# Altium PCB BeagleBone_Black_RevB4.PcbDoc (part 4 of 5) (continued)
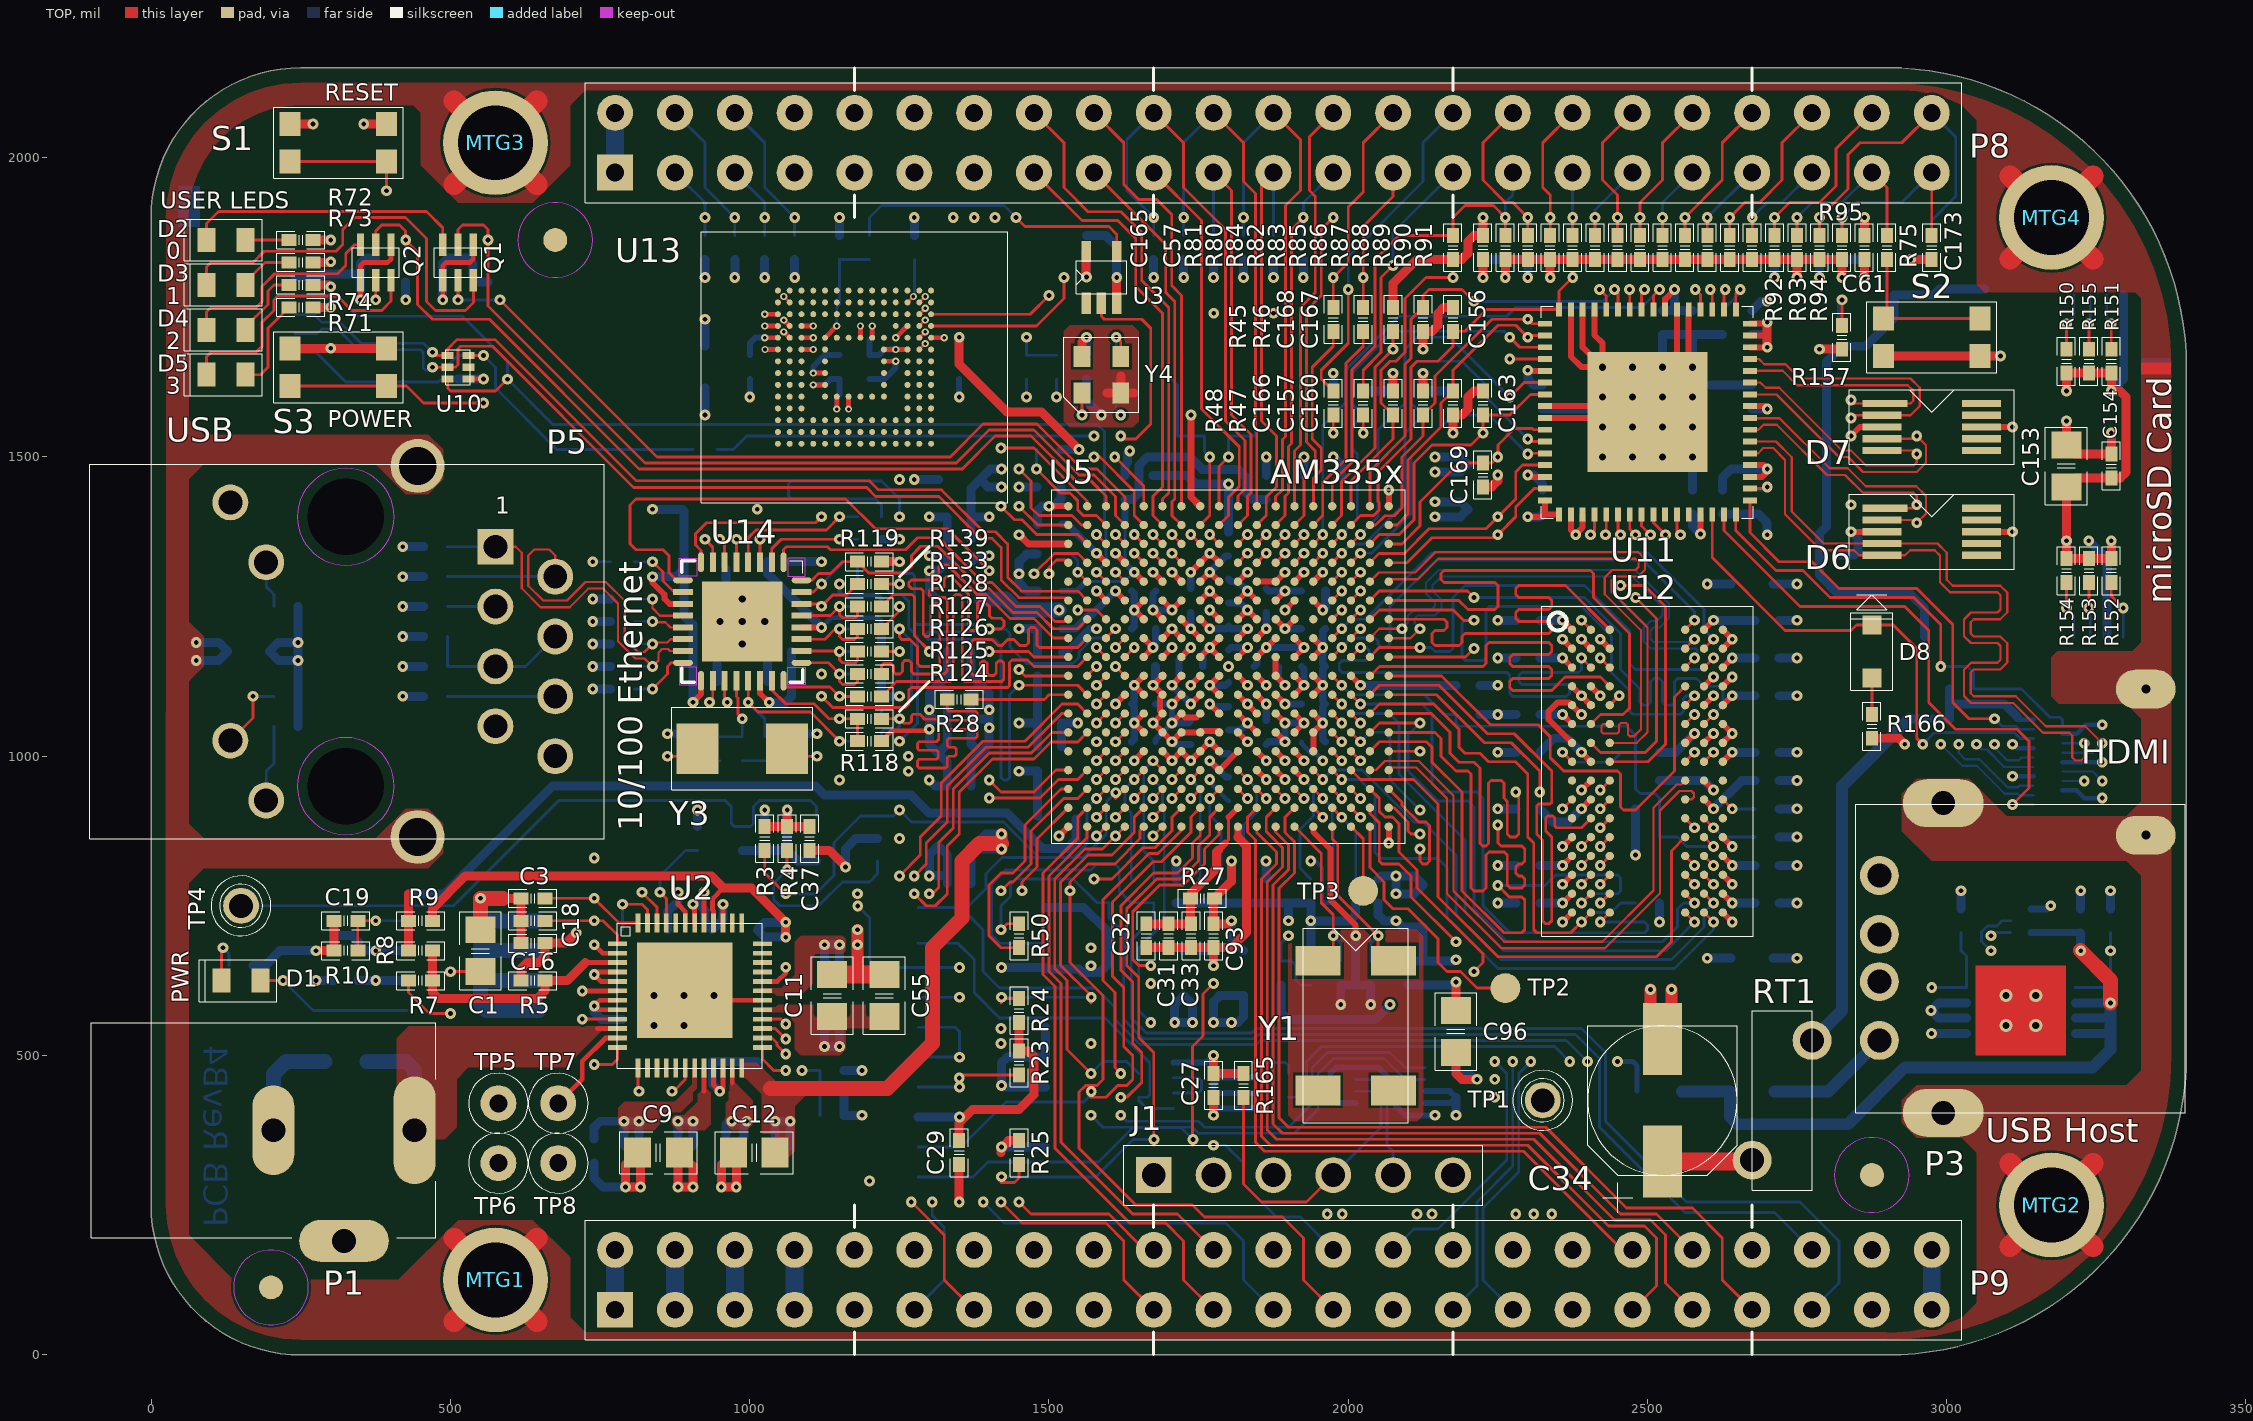
[diagram p0: TOP view]
## Nets (pads, with @x,y where several pads share a name; then routed paths per layer and width w, separated by ;. In a path a pad name is that pad's centre, name@x,y a point inside that pad or via, vN(x,y) a via of type N, cw(c..) or ccw(c..) an arc to the next point about the centre after c; other vN are vias at no path point) (continued)
UART4_TXD: P9.13 U5.U17 | length 1750.4
  TOP w4.75: v1(1270,255) 1325,200 1325,125 P9.13@1375,75 ; v1(1450,1480) 1470,1460 1470,1415 1483.05,1401.95 1538.65,1401.95 1554.38,1386.22 U5.U17@1563.78,1386.22
  LYR4 w5.25: v1(1270,255) 1270,650 1330,710 1330,920 1340,930 1340,1430 1405.99,1495.99 1434.01,1495.99 v1(1450,1480)
USB0_DM: P4.2 U5.N18 U10.2 | length 1580
  TOP w4.5: v1(470,1650) U10.2@495.22,1650 508.5,1650 512.5,1654 512.5,1680.57 516.93,1685 570,1685 806,1449 1195.44,1449 1210.44,1434 1316,1434 1386,1364 1405,1364 1420,1349 1420,1294.44 1449.6,1264.84 1527.68,1264.84 U5.N18@1532.28,1260.24
  BOTTOM w4.5: P4.2@240,1706 277,1706 285,1714 311,1714 346,1679 450.39,1679 454.39,1675 454.39,1649 458.39,1645 466,1645 470,1649 v1(470,1650)
USB0_DP: P4.3 U5.N17 U10.1 | length 1582.2
  TOP w4.5: v1(470,1675) 475.32,1669.68 U10.1@495.22,1669.68 495,1669.9 495,1680 511,1696 574.56,1696 810.56,1460 1200,1460 1215,1445 1320.56,1445 1390.56,1375 1410.56,1375 1431,1354.56 1431,1299 1454.16,1275.84 1548.18,1275.84 U5.N17@1563.78,1260.24
  BOTTOM w4.5: P4.3@240,1737.5 272.5,1737.5 285,1725 315.56,1725 350.56,1690 454.95,1690 v1@465.39,1679.56 ; v1@465.44,1679.56 v1(470,1675)
USB0_ID: P4.4 U5.P16 U10.3 | length 1854.3
  TOP w4.75: U10.3@495.22,1630.32 495.22,1615 500.22,1610 575,1610 v1(595,1630) ; v1(1579.5,1307.5) U5.P16@1595.28,1291.73
  BOTTOM w4.75: P4.4@240,1769 276.74,1769 280,1765.74 314.26,1765.74 345,1735 520,1735 595,1660 v1(595,1630) 670.74,1554.26 1580.74,1554.26 1592.5,1542.5 1592.5,1382.5 1595.24,1379.76 1595.24,1323.24 v1(1579.5,1307.5)
USB1_DM: P3.2 U5.R18 U9.2 | length 2720.4
  TOP w4.5: v1(1500,1305) 1500,1315.03 1512.8,1327.83 1527.68,1327.83 U5.R18@1532.28,1323.23
  LYR3 w5: v1(1420,520) 1546.98,520 1604.98,578 1862,578 1897,543 2679.98,543 2760.38,623.4 P3.2@2887.5,623.4 2921.6,657.5 2994.48,657.5 3018.98,682 3066.9,682 v1(3073.9,675)
  LYR4 w5: v1(1420,520) 1435.86,535.86 1435.86,543.88 1485,593.02 1485,817.86 1477.86,825 1477.86,1282.86 v1(1500,1305)
  BOTTOM w4.5: v1(3073.9,675) 3058.29,690.61 3058.29,706.47 3068.14,716.32 3083.9,716.32 3092.58,725 U9.2@3106.62,725
USB1_DP: P3.3 U5.R17 U9.1 | length 2720.6
  TOP w4.5: v1(1475,1305) 1508.83,1338.83 1548.18,1338.83 U5.R17@1563.78,1323.23
  LYR3 w5: v1(1420,545) 1433,532 1542,532 1600,590 1866.98,590 1901.98,555 2675,555 2755.4,635.4 2825.4,635.4 2887.5,697.5 P3.3@2887.5,702.2 2920.2,669.5 2989.5,669.5 3014,694 3067.9,694 v1(3073.9,700)
  LYR4 w5: v1(1420,545) 1473,598 1473,812.88 1465.86,820.02 1465.86,1290 1475,1299.14 v1(1475,1305)
  BOTTOM w4.5: v1(3073.9,700) 3079.22,705.32 U9.1@3106.62,705.32
USB1_DRVVBUS: R53.1 U5.F15 U8.4 | length 2067.1
  TOP w4.75: v1(1611,1024) U5.F15@1626.77,1039.76
  LYR3 w5.25: v1(1670,555) 1695,530 2700,530 2750,580 2925,580 2958.4,613.4 v1(2975,613.4)
  LYR4 w4.75: v1(1611,1024) 1626.74,1008.26 1626.74,985.98 1635.98,976.74 1658.26,976.74 v1(1674,961)
  BOTTOM w4.75: v1(1670,555) 1650,575 1650,680 1692.5,722.5 1692.5,910 1689.76,912.74 1689.76,945.24 v1(1674,961) ; v1(2975,613.4) U8.4@3032.9,613.4 3032.9,666 3023.9,675 R53.1@3023.9,705
USB1_ID: R49.2 U5.P17 | length 74.2
  TOP w4.75: v1(1548,1307.5) 1550,1305.51 U5.P17@1563.78,1291.73
  BOTTOM w4.75: R49.2@1520,1337.5 1537.5,1337.5 1548,1327 v1(1548,1307.5)
USB1_OCN: R52.2 U5.T16 U8.5 | length 2865.6
  TOP w4.75: v1(1579.5,1370.5) U5.T16@1595.28,1354.72
  LYR3 w5.25: v1(1570,520) 2710,520 2760,570 2930,570 2955,595 3055,595 3090,630 3228.9,630 v1(3273.9,675)
  LYR4 w5.25: v1(1570,520) 1500,590 1500,830 1486.99,843.01 1486.99,1001.24 1500,1014.25 1500,1270 1525,1295 1525,1330 1565.5,1370.5 v1(1579.5,1370.5)
  BOTTOM w4.75: U8.5@3214.9,613.4 3262.3,613.4 3273.9,625 v1(3273.9,675) R52.2@3273.9,705
USB1_PWR: C35.1 FB7.1 FB8.2 U8.6 U8.7 U8.8 U9.6 | length 1290.4
  TOP w25: v1(3223.9,675) 3273.6,625.3 v1(3273.6,587.8)
  BOTTOM w12: U9.6@3141.18,705.32 3223.58,705.32 C35.1@3223.9,705
  BOTTOM w15: U8.8@3214.9,536.6 3273.6,536.6 ; U8.7@3214.9,562.2 3273.6,562.2 ; U8.6@3214.9,587.8 v1(3273.6,587.8) ; v1(3223.9,675) C35.1@3223.9,705
  BOTTOM w20: FB8.2@2557.4,440 FB7.1@2637.6,440 2637.6,397.4 2650,385 2835,385 2930,480 3243.9,480 3273.6,509.7 3273.6,536.6 3273.6,562.2 v1(3273.6,587.8)
USB1_VBUS: FB8.1 U5.T18 | length 2593.5
  TOP w12: v1(1450,1370) 1450.28,1370 1465.56,1354.72 U5.T18@1532.28,1354.72
  LYR3 w8: v1(1180,770) 1210,770 1295,685 1295,605 1405,495 1720,495 1740,475 2185,475 2217.36,507.36 2432.64,507.36 v1(2450,490) ; v1(1250,1462.5) 1250,1450 1260,1440 1320,1440 1390,1370 v1(1450,1370)
  LYR4 w8: v1(1180,770) 1180,920 1190,930 1190,1402.5 v1(1250,1462.5)
  BOTTOM w8: v1(2450,490) 2475,490 2482.6,482.4 FB8.1@2482.6,440
USB_DC: C1.2 C36.1 P4.1 R159.1 U2.12 U10.6 | length 2307.3
  TOP w4.75: v1(500,640) C1.2@550,640 ; U10.6@529.78,1669.68 554.68,1669.68 v1(555,1669.36) ; v1(740,485) 770.25,485 778.94,493.69 U2.12@778.94,513.39
  LYR4 w5.25: v1(555,1669.36) 530,1644.36 530,1425 510,1405 510,945 530,925 530,745 500,715 v1(500,640) 550,590 635,590 v1(740,485)
  BOTTOM w4.75: P4.1@240,1674.51 275.49,1674.51 325,1625 480,1625 490,1635 490,1647.5 C36.1@512.5,1670 512.82,1669.68 554.68,1669.68 v1(555,1669.36) 575,1649.36 575,1615 677.5,1512.5 R159.1@905,1512.5
USR0: Q1.2 R76.1 U5.V15 | length 1374.7
  TOP w4.75: v1(512.5,1762.5) Q1.2@512.5,1795.47 ; v1(582.5,1762.5) 845,1500 1335,1500 1390,1555 1480,1555 1555,1480 1580,1480 1626.77,1433.23 U5.V15@1626.77,1417.72
  BOTTOM w4.75: R76.1@512.5,1792.5 v1(512.5,1762.5) v1(582.5,1762.5)
USR1: Q1.5 R77.1 U5.U15 | length 1519.5
  TOP w4.75: Q1.5@512.5,1854.53 512.5,1880 520,1887.5 555,1887.5 562.5,1880 v1(562.5,1862.5) 562.5,1752.5 825,1490 1345,1490 1400,1545 1475,1545 1550,1470 1575,1470 1611.01,1433.99 1611.01,1401.98 U5.U15@1626.77,1386.22
  BOTTOM w4.75: R77.1@562.5,1832.5 v1(562.5,1862.5)
USR2: Q2.2 R78.1 U5.T15 | length 1514.4
  TOP w4.75: v1(375,1762.5) Q2.2@375,1795.47 ; v1(1611,1370.5) U5.T15@1626.77,1354.72
  LYR3 w5.25: v1(375,1762.5) 375,1710 545,1540 1441.5,1540 v1(1611,1370.5)
  BOTTOM w4.75: v1(375,1762.5) R78.1@375,1792.5
USR3: Q2.5 R79.1 U5.V16 | length 1587.5
  TOP w4.75: Q2.5@375,1854.53 375,1877.5 385,1887.5 415,1887.5 425,1877.5 v1(425,1862.5) 445,1842.5 445,1755 470,1730 565,1730 815,1480 1355,1480 1410,1535 1470,1535 1544.75,1460.25 1569.75,1460.25 1595.28,1434.72 U5.V16@1595.28,1417.72
  BOTTOM w4.75: R79.1@425,1832.5 v1(425,1862.5)
VBUS: FB7.2 P3.1 | length 210.3
  BOTTOM w20: FB7.2@2712.4,440 2802.5,440 P3.1@2887.5,525
VDCDC1: L1.2 R6.1 U2.19 | length 214.6
  BOTTOM w15: R6.1@740,360 740,380.25 749.75,390 v1(790,390) ; v1(790,390) v1(815,390) 815,350 L1.2@802.5,337.5 790,350 v1(790,390)
VDD_1V8: C14.2 C78.1 C86.1 C88.1 FB1.1 FB2.2 FB5.2 R9.2 U2.40 U5.D10 U5.E9 U5.N16 U5.R16 | length 1567.2
  TOP w8: U2.40@939.37,721.06 939.37,741.19 937.76,742.8 937.76,762.08 955.68,780
  TOP w10: v1(1579.5,1276) U5.N16@1595.28,1260.24 ; v1(1579.5,1339) U5.R16@1595.28,1323.23 ; v1(1768.5,992.5) U5.D10@1784.25,976.77 U5.E9@1815.75,1008.27
  TOP w15: R9.2@470,725 470,745 525,800 935.68,800 955.68,780 1002.5,780 v1(1060,722.5) v1(1060,697.5)
  LYR3 w15: v1(1060,697.5) v1(1060,722.5)
  BOTTOM w12: C86.1@1520.75,1387.5 1531,1387.5 v1(1579.5,1339) ; v1(1768.5,992.5) 1795.75,965.25 C88.1@1800,965.25
  BOTTOM w15: v1(1300,1335) 1320,1335 C78.1@1330,1325 1315,1310 v1(1300,1310) 1300,1275.1 FB1.1@1312.6,1262.5 ; v1(2145,1400) 2187.4,1400 FB5.2@2200,1412.6 2187.6,1425 v1(2145,1425) ; C14.2@1012.5,710 1025,697.5 v1(1060,697.5) v1(1060,722.5) 1025,722.5 C14.2@1012.5,710 ; v1(1775,555) 1775,590 1785.1,600.1 FB2.2@1825,600.1 1825,565 1815,555 v1(1805,555) v1(1775,555)
VDD_3V3A: C15.2 C27.1 C37.1 C38.1 C56.2 C57.2 C58.1 C59.1 C60.2 C61.2 C66.1 C67.1 C68.2 C69.2 C70.2 C71.2 C72.2 C73.2 C74.2 C75.2 C76.2 C77.1 C87.1 C152.1 C158.1 C159.1 R1.1 R3.1 R4.1 R14.1 R52.1 R55.1 R56.1 R57.1 R58.1 R59.1 R60.1 R61.1 R62.1 R63.1 R64.1 R65.1 R66.1 R67.1 R68.1 R69.1 R70.1 R156.1 U2.43 U3.5 U5.E10 U5.E11 U5.E12 U5.E13 U5.F14 U5.G14 U5.H14 U5.J14 U5.K14 U5.L14 U5.N5 U5.N15 U5.P5 U5.P6 U5.P7 U5.P8 U5.P10 U5.P11 U5.P12 U5.P13 U5.R15 U6.6 U6.7 U6.8 U7.4 Y4.4 | length 4369.5
  TOP w8: v1(880.25,772.62) 880.25,752.25 892.13,740.37 U2.43@892.13,721.06
  TOP w10: v1(1611,1276) U5.N15@1626.77,1260.24 ; v1(1611,1339) U5.R15@1626.77,1323.23 ; U5.F14@1658.27,1039.76 v1(1642.5,1055.5) U5.G14@1658.27,1071.26 ; U5.H14@1658.27,1102.76 v1(1642.5,1118.5) U5.J14@1658.27,1134.25 ; U5.K14@1658.27,1165.75 v1(1674,1181.5) U5.L14@1658.27,1197.24 ; v1(1674,1307.5) U5.P13@1689.76,1291.73 ; U5.E13@1689.76,1008.27 v1(1705.5,992.5) ; v1(1705.5,992.5) U5.E12@1721.26,1008.27 v1(1737,992.5) U5.E11@1752.76,1008.27 v1(1768.5,1024) U5.E10@1784.25,1008.27 ; v1(1705.5,1307.5) U5.P12@1721.26,1291.73 ; U5.P11@1752.76,1291.73 v1(1768.5,1307.5) U5.P10@1784.25,1291.73 ; U5.P8@1847.24,1291.73 U5.P7@1878.74,1291.73 v1(1894.49,1307.48) ; U5.P6@1910.24,1291.73 v1(1926,1307.5) ; U5.N5@1941.73,1260.24 v1(1957.5,1244.5) ; U5.P5@1941.73,1291.73 v1(1957.5,1307.5)
  TOP w15: R3.1@1025,882.5 R4.1@1062.5,882.5 ; v1(1062.5,910) R4.1@1062.5,882.5 ; C37.1@1100,882.5 R4.1@1062.5,882.5 ; Y4.4@1555,1668 1555,1692.5 v1(1562.5,1700) ; U3.5@1561.91,1843.31 1561.91,1801.18 v1(1562.5,1800.59) ; v1(1775,400) C27.1@1775,430 ; v1(2225,1800) C57.2@2225,1830 ; v1(2862.5,1800) C61.2@2862.5,1830
  LYR4 w15: v1(2787.5,1800) 2762.5,1775 2762.5,1557.5 2887.5,1432.5 2887.5,877.5 2960,805 3243.9,805 v1(3273.9,775)
  BOTTOM w10: v1(1775,400) 1775,411.6 ; U6.8@1842,411.6 1775,411.6 ; U6.7@1842,437.2 1775,437.2 ; U6.6@1842,462.8 1782.8,462.8 1775,455 1775,437.2 ; 1775,411.6 1775,437.2
  BOTTOM w12: C87.1@1520.75,1213 1543.88,1213 1567.36,1236.48 1571.48,1236.48 v1(1611,1276) ; C70.2@1638.25,1024 1642.5,1028.25 v1(1642.5,1055.5) 1642.5,1082.75 1638.25,1087 1642.5,1091.25 v1(1642.5,1118.5) ; v1(1674,1181.5) 1678.25,1185.75 C66.1@1678.25,1213 ; v1(1768.5,1024) 1788.5,1004 C72.2@1800,1003.98 ; v1(1768.5,1307.5) 1795.75,1334.75 C56.2@1800,1334.75
  BOTTOM w15: C15.2@862.5,710 862.5,740 880.25,757.75 v1(880.25,772.62) ; R1.1@912.5,882.5 v1(912.5,910) ; R156.1@987.5,842.5 C152.1@1025,842.5 1062.5,842.5 ; v1(1062.5,910) 1062.5,842.5 ; U7.4@1111.5,825 1080,825 1062.5,842.5 ; R14.1@1157.5,475 v1(1187.5,475) ; C38.1@1370,1362.5 C67.1@1370,1400 ; v1(1400,1400) C67.1@1370,1400 ; v1(1420.5,1450) 1397.5,1450 C77.1@1385,1462.5 ; v1(1420.5,1480) 1402.5,1480 C77.1@1385,1462.5 ; v1(1450,1450) C71.2@1480,1450 ; C159.1@1562.5,1670 v1(1562.5,1700) ; v1(1562.5,1800.59) C158.1@1562.5,1830 ; C59.1@1712.5,795 v1(1712.5,825) ; v1(1957.5,1244.5) 1961.75,1248.75 C73.2@1961.75,1276 ; v1(2225,1800) C75.2@2225,1830 R56.1@2262.5,1830 R55.1@2300,1830 ; v1(2300,1800) R55.1@2300,1830 ; v1(2712.5,1800) R67.1@2712.5,1830 ; v1(2787.5,1800) R69.1@2787.5,1830 ; v1(2862.5,1800) C76.2@2862.5,1830 R70.1@2825,1830 R69.1@2787.5,1830 ; R52.1@3273.9,745 v1(3273.9,775) ; C67.1@1370,1400 1370,1447.5 C77.1@1385,1462.5 ; R55.1@2300,1830 R59.1@2337.5,1830 R57.1@2375,1830 R58.1@2412.5,1830 R60.1@2450,1830 R61.1@2487.5,1830 R62.1@2525,1830 R63.1@2562.5,1830 R64.1@2600,1830 R65.1@2637.5,1830 R66.1@2675,1830 R67.1@2712.5,1830 ; R67.1@2712.5,1830 R68.1@2750,1830 R69.1@2787.5,1830
VDD_3V3AUX: C18.1 D1.2 U2.1 U4.1 | length 999.3
  TOP w4.75: D1.2@182.5,625 v1(220,625) ; C18.1@657.5,725 v1(740,725) 755,725 778.94,701.06 U2.1@778.94,686.61
  LYR3 w5.25: v1(220,625) 220,670 250,700 415,700 440,725 v1(740,725)
  BOTTOM w4.75: v1(220,625) 270,575 U4.1@427.5,575
VDD_3V3B: C20.1 C29.1 C126.2 C127.1 C128.1 C129.1 C130.1 C135.1 C153.1 C154.1 C155.2 FB4.1 P2.5 P9.3 P9.4 P10.4 R11.1 R23.1 R24.1 R101.1 R102.1 R103.1 R104.1 R105.1 R106.1 R107.1 R108.1 R109.1 R110.1 R111.1 R112.2 R113.2 R114.2 R119.1 R150.1 R151.1 R152.1 R153.1 R154.1 R155.1 R157.2 R158.1 R163.1 R166.2 U4.3 U13.C6 U13.E6 U13.F5 U13.J10 U13.K9 U13.M4 U13.N4 U13.P3 U13.P5 U14.12 U15.7 U15.8 | length 4839.4
  TOP w8: v3(1025,1699.21) U13.P5@1047.05,1699.21 ; v3(1025,1738.58) U13.P3@1047.05,1738.58 ; v3(1056.89,1728.74) U13.N4@1066.73,1718.9 ; U13.M4@1086.42,1718.9 v3(1106.1,1718.9) ; v3(1106.1,1620.47) U13.K9@1125.79,1620.47 ; v3(1145.47,1580) U13.J10@1145.47,1600.79 ; U13.F5@1204.53,1699.21 v3(1204.53,1718.9) ; U13.E6@1224.21,1679.53 v3(1243.9,1679.53) U13.C6@1263.58,1679.53
  TOP w10: U14.12@1086.5,1215.15 1102.34,1215.16 v1(1120,1215.16)
  TOP w15: R119.1@1220,1325 v1(1250,1325) ; C29.1@1350,357.5 1350,387.5 1372.5,410 1450,410 1475,435 1475,497.5 1465,507.5 R23.1@1450,507.5 R24.1@1450,555 ; v1(1350,1700) 1350,1655 1430,1575 1487.5,1575 v1(1550,1512.5) ; v1(2787.5,1680) R157.2@2825,1680 ; R166.2@2875,1030 2920,1030 v1(2930,1020) ; v1(3200,1610) R150.1@3200,1640 R155.1@3237.5,1640 R151.1@3275,1640 v1(3275,1610) 3290,1610 3300,1600 3300,1474.75 3290.25,1465 C154.1@3275,1465 3215,1465 C153.1@3200,1450 v1(3200,1360) R154.1@3200,1330 R153.1@3237.5,1330 R152.1@3275,1330 v1(3275,1360)
  LYR3 w15: 1350,387.5 1379.14,358.36 1618.36,358.36 1685,425 2155,425 v1(2180,400)
  LYR4 w15: v1(2070,585) 2070,510 v1(2180,400)
  LYR5_PWR w35: 846.12,103.88 P9.3@875,75 903.88,103.88 ; 846.12,146.12 P9.4@875,175 ; 846.12,203.88 P9.4@875,175 ; 903.88,146.12 P9.4@875,175 ; 903.88,203.88 P9.4@875,175
  BOTTOM w7.5: v1(1120,1215.16) 1136.09,1231.25 1215,1231.25 1220,1226.25 R112.2@1220,1212.5
  BOTTOM w10: C127.1@1000,1670 1000,1690 1009.21,1699.21 v3(1025,1699.21) ; v3(1106.1,1620.47) 1125,1620.47 1134.53,1630 C128.1@1150,1630 1150,1604.53 1145.47,1600 v3(1145.47,1580) ; v3(1204.53,1718.9) 1204.53,1700 1200,1695.47 C129.1@1200,1670 1215.47,1670 1225,1679.53 v3(1243.9,1679.53) ; C130.1@1350,1670 v1(1350,1700) ; U15.8@2128,420.5 2170.5,420.5 C155.2@2180,430 2169.8,440.2 U15.7@2128,440.2
  BOTTOM w15: R11.1@305,725 305,710 315,700 335,700 345,690 C20.1@345,675 v1(375,675) U4.3@427.5,675 ; C126.2@925,1685 v1(925,1730) ; v1(925,1800) R107.1@925,1830 ; v1(975,1800) R108.1@975,1830 ; v1(1025,1800) R103.1@1025,1830 ; C135.1@1030,1325 1030,1305.16 v1(1120,1215.16) ; v1(1075,1800) R104.1@1075,1830 ; R111.1@1150,1870 v1(1150,1900) ; R114.2@1220,1175 R112.2@1220,1212.5 ; R113.2@1220,1325 v1(1250,1325) ; P2.5@1281.5,397.1 v1(1350.5,397.1) ; R158.1@1520,1512.5 v1(1550,1512.5) ; v1(1675,1800) R109.1@1675,1830 ; v1(1725,1800) R106.1@1725,1830 ; v1(1775,1800) R110.1@1775,1830 ; v1(1825,1800) R102.1@1825,1830 ; v1(1875,1800) R105.1@1875,1830 ; R163.1@1887.5,617.5 1887.5,572.5 1900,560 2045,560 v1(2070,585) ; v1(1925,1800) R101.1@1925,1830 ; v1(2180,400) C155.2@2180,430 ; v1(3275,1610) 3295.86,1630.86 3295.86,1731.15 3295.09,1731.92 P10.4@3295.09,1770.72
  BOTTOM w30: P9.3@875,75 P9.4@875,175
  other v1: 1012.5,1412.5
VDD_5V: C2.2 P1.1 P9.5 P9.6 U2.10 | length 1002.4
  TOP w8: 745,544.88 U2.10@778.94,544.88
  LYR4 w30: P1.1@440,375 440,265 465,240 910,240 P9.6@975,175
  BOTTOM w25: C2.2@360,490 425,490 440,475 P1.1@440,375
  BOTTOM w30: P9.5@975,75 P9.6@975,175
VDD_ADC: C93.1 FB2.1 P9.32 R27.1 U5.D8 | length 1240.8
  TOP w10: U5.D8@1847.24,976.77 v1(1862.99,961.02)
  TOP w15: v1(1805,725) 1800,720 C93.1@1775,720 1775,761.25 R27.1@1776.25,762.5 1804.75,791 1804.75,824.75 v1(1805,825)
  LYR3 w15: v1(1805,825) 1805,970 1820,985 1839.01,985 v1(1862.99,961.02)
  LYR4 w15: v1(1805,725) 1805,695 2130,370 2210,370 2250,330 2250,200 P9.32@2275,175
  BOTTOM w15: v1(1805,725) 1805,695 1825,675 FB2.1@1825,674.9
VDD_CORE: C11.2 C39.2 C40.2 C41.1 C42.1 C43.1 C44.1 C45.1 C46.1 C47.1 C48.1 C49.1 C50.1 C51.1 C52.1 C53.1 C54.1 C55.2 L3.2 U2.29 U5.F6 U5.F7 U5.G6 U5.G7 U5.G10 U5.H11 U5.J12 U5.K6 U5.K8 U5.K12 U5.L6 U5.L7 U5.L8 U5.L9 U5.M11 U5.M13 U5.N8 U5.N9 U5.N12 U5.N13 | length 2260.8
  TOP w10: v1(1674,1244.5) U5.M13@1689.76,1228.74 ; U5.N13@1689.76,1260.24 v1(1705.5,1244.5) U5.N12@1721.24,1260.24 ; v1(1705.5,1118.5) U5.J12@1721.26,1134.25 ; U5.K12@1721.26,1165.75 v1(1737,1181.5) ; v1(1737,1087) U5.H11@1752.76,1102.76 ; U5.M11@1752.76,1228.74 v1(1768.5,1213) ; v1(1768.5,1087) U5.G10@1784.24,1071.26 ; U5.L9@1815.75,1197.24 v1(1831.5,1212.99) ; U5.N9@1815.75,1260.24 v1(1831.5,1275.98) U5.N8@1847.24,1260.24 ; U5.K8@1847.24,1165.75 v1(1862.99,1181.5) U5.L7@1878.74,1197.24 ; U5.L8@1847.24,1197.24 v1(1862.99,1212.99) ; U5.F7@1878.74,1039.76 v1(1894.5,1024) ; U5.G7@1878.74,1071.26 v1(1894.5,1055.5) ; U5.F6@1910.24,1039.76 v1(1926,1055.5) U5.G6@1910.24,1071.26 ; U5.K6@1910.24,1165.75 v1(1926,1181.5) U5.L6@1910.24,1197.24
  LYR4 w20: v1(1125,515) v1(1150,515) 1225,590 1225,740 1210,755 1210,905 1225,920 1225,975 1240,990 1265,990 ; v1(1265,975) 1265,990 ; v1(1265,1000) 1265,990
  BOTTOM w12: C45.1@1520.75,1173.63 1524.62,1177.5 1532.5,1177.5 1568,1213 v1(1579.5,1213) ; C41.1@1678.25,1276 1674,1271.75 v1(1674,1244.5) v1(1705.5,1244.5) ; v1(1737,1087) v1(1705.5,1118.5) 1717,1130 1717,1150 1717,1161.5 v1(1737,1181.5) ; v1(1768.5,1087) 1772.75,1082.75 C49.1@1800,1082.75 ; v1(1768.5,1213) 1795.75,1213 C47.1@1800,1217.25 1804.26,1212.99 v1(1831.5,1212.99) ; C42.1@1800,1296 1804.25,1291.75 1815.73,1291.75 v1(1831.5,1275.98) ; C48.1@1843,1150 1847.25,1154.25 1847.25,1165.76 v1(1862.99,1181.5) v1(1926,1181.5) ; C50.1@1863,1019.75 1867.25,1024 v1(1894.5,1024) v1(1894.5,1055.5) v1(1926,1055.5) ; v1(1862.99,1212.99) C43.1@1863,1240.25
  BOTTOM w15: C53.1@1370,950 1370,990 C39.2@1385,1005 ; C51.1@1370,1175 1370,1135 C40.2@1385,1120 ; C44.1@1520.75,1016.13 1520.75,1055.5 v1(1548,1055.5) ; C52.1@1370,1062.5 1400,1062.5 ; C52.1@1370,1062.5 1370,1105 C40.2@1385,1120 ; C52.1@1370,1062.5 1370,1020 C39.2@1385,1005 ; C39.2@1385,1005 1400,1020 v1(1400,1047.5) 1400,1062.5 ; C40.2@1385,1120 1400,1105 v1(1400,1077.5) 1400,1062.5 ; v1(1125,515) v1(1150,515) 1150,542.5 L3.2@1137.5,555 1125,542.5 v1(1125,515)
VDD_MPU: C12.2 C62.2 C63.1 C64.1 C65.1 L2.2 U2.24 U5.F10 U5.F11 U5.F12 U5.F13 U5.G13 U5.H13 U5.J13 | length 1350.9
  TOP w10: U5.J13@1689.76,1134.25 v1(1674,1118.5) U5.H13@1689.76,1102.76 1685.5,1098.5 1685.5,1075.52 U5.G13@1689.76,1071.26 v1(1674,1055.5) U5.F13@1689.76,1039.76 v1(1705.5,1024) U5.F12@1721.26,1039.76 U5.F11@1752.76,1039.76 1755.36,1042.36 1781.64,1042.36 U5.F10@1784.24,1039.76
  TOP w20: v1(1420.5,845) 1420.5,854 v1(1420.5,870)
  TOP w25: 1035,445 1230,445 1305,520 1305,680 1355,730 1355,825 1384,854 1420.5,854
  BOTTOM w12: v1(1705.5,1024) 1709.75,1019.75 C63.1@1737,1019.75
  BOTTOM w15: C64.1@1370,787.5 1370,835 C62.2@1385,850 ; v1(1674,1118.5) 1678.25,1122.75 C65.1@1678.25,1150 ; C62.2@1385,850 1390,845 v1(1420.5,845) v1(1420.5,870) 1395,870 1385,860 C62.2@1385,850 ; L2.2@1042.5,350 v1(1042.5,390) v1(1067.5,390) 1067.5,350 L2.2@1055,337.5 L2.2@1042.5,350
VDD_MPUON: TP2.1 U5.A2 | length 419.2
  TOP w4.75: U5.A2@2036.22,882.28 2036.22,813.78 2060,790 2060,760 2075,745 2100,745 2150,695 2150,655 2165,640 2187.74,640 2215.24,612.5 TP2.1@2262.5,612.5
VDD_PHYA: C131.1 C132.1 C133.2 FB4.2 R120.2 R121.2 R122.2 R123.2 R137.2 U14.1 U14.27 | length 713.9
  TOP w10: v1(837.5,1300) 837.5,1290 857.5,1270 857.5,1263 865.95,1254.55 U14.27@888.5,1254.55 ; v1(905,1090) 918.55,1103.55 U14.1@918.55,1126
  BOTTOM w15: v1(420,1150) R137.2@455,1150 ; v1(737.5,1150) R120.2@767.5,1150 ; v1(737.5,1187.5) R121.2@767.5,1187.5 ; v1(737.5,1225) R122.2@767.5,1225 ; v1(737.5,1262.5) R123.2@767.5,1262.5 ; v1(837.5,1300) 877.5,1300 C133.2@890,1312.5 ; v1(837.5,1412.5) FB4.2@887.6,1412.5 890,1410.1 C133.2@890,1312.5 ; v1(905,1090) C131.1@905,1125 C132.1@905,1175 905,1220 890,1235 C133.2@890,1312.5
VDD_PLL: C79.1 C92.1 C94.1 C106.1 FB1.2 U5.E7 U5.H15 U5.R10 U5.R11 | length 590.1
  TOP w10: v1(1611,1087) U5.H15@1626.77,1102.76 ; v1(1737,1307.5) U5.R11@1752.76,1323.23 v1(1768.5,1339) 1784.25,1323.72 U5.R10@1784.25,1323.23 ; U5.E7@1878.74,1008.27 v1(1894.49,992.52)
  LYR3 w15: v1(1516.5,1244.5) 1538.5,1222.5 1555.51,1222.5 1568.86,1235.85 1568.86,1245 1579,1255.14 1619.65,1255.14 1622.65,1258.14 1623.14,1258.14 1640,1275 1704.5,1275 v1(1737,1307.5) v1(1768.5,1339)
  BOTTOM w12: C94.1@1737,1280.25 v1(1737,1307.5)
  BOTTOM w25: FB1.2@1387.4,1262.5 1427.5,1262.5 1445.5,1244.5 v1(1516.5,1244.5)
VDD_RTC: C104.1 U5.D6 | length 211.7
  TOP w10: U5.D6@1910.24,976.77 v1(1926,961)
  BOTTOM w4.75: v1(1926,961) 1941.75,945.25 1941.75,926.75 1941.74,900 1919.3,877.56 1919.3,813.2 C104.1@1937.5,795
VDDS: C80.1 C81.1 C82.1 C83.1 C84.1 C85.1 R8.2 R9.1 U5.E6 U5.E14 U5.F9 U5.K13 U5.N6 U5.P9 U5.P14 | length 2231.6
  TOP w10: v1(1642.5,992.5) U5.E14@1658.27,1008.27 ; v1(1642.5,1307.5) U5.P14@1658.27,1291.73 ; U5.K13@1689.76,1165.75 v1(1705.5,1181.5) ; U5.F9@1815.75,1039.76 v1(1831.5,1024.02) ; U5.P9@1815.75,1291.73 v1(1831.5,1307.48) ; v1(1894.5,1244.5) U5.N6@1910.24,1260.24 ; U5.E6@1910.24,1008.27 v1(1926,992.5)
  TOP w15: R8.2@430,675 R9.1@430,725 430,770
  LYR5_PWR w12: v1(1705.5,1181.5) 1724.86,1162.14 1787.86,1162.14 v1(1800,1150)
  BOTTOM w4.75: 1561.76,1291.76 1617.52,1291.76 1620.76,1295 1630,1295 v1(1642.5,1307.5) ; 1626.74,1323.26 1626.74,1388.26
  BOTTOM w10: C84.1@1520.75,1276 1546,1276 1561.76,1291.76 ; 1626.74,1323.26 v1(1642.5,1307.5)
  BOTTOM w12: 1626.74,1388.26 1626.74,1413.72 ; 1626.77,1413.75 C80.1@1626.77,1429.25
  BOTTOM w15: 430,770 430.25,769.75 489.75,769.75 670,950 1110,950 1125,935 1270,935 1300,905 1430,905 1489.36,845.64 1530.64,845.64 1545,860 1545,895 ; C80.1@1626.77,1429.25 1639.25,1429.25 1650,1440 1650,1485.43 1664.57,1500 1735,1500 1755.86,1479.14 1815.86,1479.14 1830,1465 1830,1440 1840.75,1429.25 C81.1@1863,1429.25
  other v1: 1579.5,1024
VDDS_DDR: C9.2 C95.2 C96.2 C97.1 C98.1 C99.1 C100.1 C101.1 C102.1 C103.1 C107.1 C108.1 C109.1 C110.1 C111.1 C112.1 C113.1 C114.1 C115.1 C116.1 C117.1 C118.2 C119.1 C120.1 C121.1 C122.2 R6.2 R97.1 R98.1 U5.E5 U5.F5 U5.G5 U5.H5 U5.J5 U5.K5 U5.L5 U12.A1 U12.A8 U12.B2 U12.C1 U12.C9 U12.D2 U12.D9 U12.E9 U12.F1 U12.G7 U12.H2 U12.H9 U12.K2 U12.K8 U12.N1 U12.N9 U12.R1 U12.R9 | length 1820
  TOP w10: U5.E5@1941.73,1008.27 U5.F5@1941.73,1039.76 v1(1957.5,1055.5) U5.G5@1941.73,1071.26 ; U5.H5@1941.73,1102.76 v1(1957.5,1118.5) U5.J5@1941.73,1134.25 ; U5.K5@1941.73,1165.75 v1(1957.5,1181.5) U5.L5@1941.73,1197.24
  TOP w15: C96.2@2180,575 v1(2180,622.5) ; v1(792.5,280) 792.5,317.5 C9.2@812.5,337.5 817.5,332.5 v1(817.5,280) v1(792.5,280)
  BOTTOM w12: C100.1@1961.75,1024 1957.5,1028.25 v1(1957.5,1055.5) 1957.5,1082.75 1961.75,1087 1957.5,1091.25 v1(1957.5,1118.5) 1957.5,1145.75 C98.1@1961.72,1150 1957.5,1154.25 v1(1957.5,1181.5) 1957.5,1208.75 C97.1@1961.75,1213
  BOTTOM w15: R6.2@740,320 740,295 755,280 v1(792.5,280) v1(817.5,280) ; C101.1@2050,795 2055,800 v1(2080,800) ; C102.1@2100,617.5 C103.1@2150,617.5 2175,617.5 v1(2180,622.5) ; C113.1@2320,754.5 v1(2358.25,754.5) ; C112.1@2320,817.5 v1(2358.25,817.5) ; C111.1@2320,912 2342,890 2367.75,890 v1(2389.75,912) ; C110.1@2320,1006.5 2343.5,1030 2366.25,1030 v1(2389.75,1006.5) ; C109.1@2320,1069.5 v1(2358.25,1069.5) ; C108.1@2320,1164 v1(2358.25,1164) ; C107.1@2320,1227 v1(2358.25,1227) ; v1(2520,723) R97.1@2520,754.5 ; R98.1@2520,1006.5 2547.25,1006.5 v1(2578.75,1038) ; v1(2600,662.5) C122.2@2640,662.5 ; v1(2600,1287.5) C118.2@2640,1287.5 ; v1(2610.25,912) 2657.5,959.25 C119.1@2680,959.25 ; v1(2610.25,1227) C114.1@2680,1227 ; v1(2641.75,754.5) C121.1@2680,754.5 ; v1(2641.75,817.5) C120.1@2680,817.5 ; v1(2641.75,1006.5) C117.1@2680,1006.5 ; v1(2641.75,1101) C116.1@2680,1101 ; v1(2641.75,1164) C115.1@2680,1164 ; v1(2080,800) v1(2080,770) 2110,770 C95.2@2125,785 2110,800 v1(2080,800)
  other v1: 1965,235 1990,235 2115,235 2140,235 2280,235 2310,235 2340,235 2421.25,1101 2641.75,1132.5 2389.75,1195.5
VIO: R7.2 U2.18 | length 577.9
  TOP w4.75: R7.2@430,625 430,605 465,570 v1(500,570) ; v1(870,440) 872.5,440 892.13,459.63 U2.18@892.13,478.94
  LYR4 w5.25: v1(500,570) 620,570 730.99,459.01 850.99,459.01 v1(870,440)
VLDO1: R5.1 R7.1 R8.1 U2.3 | length 418.2
  TOP w8: 725.12,655.12 U2.3@778.94,655.12
  TOP w15: R8.1@470,675 R7.1@470,625 470,605 480,595 645,595 657.5,607.5 R5.1@657.5,625 695,625 725.12,655.12
VREFP_ADC: C31.1 C32.1 C33.1 R27.2 U5.B9 | length 302.2
  TOP w4.75: 1795,855 1800,860 1800,898.03
  TOP w10: 1800,898.03 U5.B9@1815.75,913.78
  TOP w12: 1783.13,843.13 1795,855
  TOP w15: C32.1@1662.5,720 C31.1@1700,720 C33.1@1737.5,720 1736.25,721.25 R27.2@1736.25,762.5 1736.25,769.11 1780,812.86 1780,840 1783.13,843.13
VRTC: C16.1 C105.1 R5.2 R26.1 U5.D7 | length 1652
  TOP w10: U5.D7@1878.74,976.77 v1(1894.5,961)
  TOP w15: R5.2@617.5,625 617.5,645 627.5,655 647.5,655 657.5,665 C16.1@657.5,687.5 692.5,687.5 v1(710,705)
  LYR3 w15: v1(740,830) 795,885 1335,885 1400,820 1520,820 1565.86,774.14 1604.14,774.14 1615,785 1825,785 1862.5,822.5 v1(1862.5,825)
  LYR4 w15: v1(710,705) 710,800 v1(740,830)
  BOTTOM w7: v1(1937.5,825) 1945,825 1956.25,813.74 1956.25,760 1961.25,755 R26.1@1975,755
  BOTTOM w15: C105.1@1862.5,795 v1(1862.5,825)
WAKEUP: R26.2 U2.13 U5.C5 | length 2370.9
  TOP w4.75: U2.13@813.39,478.94 813.39,441.61 v1(815,440) ; U5.C5@1941.73,945.28 v1(1957.5,929.5)
  LYR3 w5.25: v1(815,440) 835,420 910,420 960,370 1170,370 1220,320 1610,320 1660,370 2200,370 2225,395 2225,440 v1(2245,460)
  LYR4 w5.25: v1(1957.5,929.5) 1940,912 1940,887.61 2064.01,763.6 2064.01,763.38 2073.38,754.01 2073.6,754.01 2160,667.61 2160,545 v1(2245,460)
  BOTTOM w4.75: v1(1957.5,929.5) 1973.26,913.74 1973.26,887.5 1975,885.76 R26.2@1975,795
WP: R156.2 TP4.1 U7.5 | length 1123.1
  BOTTOM w4.75: TP4.1@150,750 505,750 680.74,925.74 959,925.74 969,915.74 969,887.5 974,882.5 R156.2@987.5,882.5 1001,882.5 1006,887.5 1006,915.74 1016,925.74 1101.5,925.74 1111.5,915.74 U7.5@1111.5,900
XDMA_EVENT_INTR0: P2.17 R18.2 U6.1 | length 644.7
  BOTTOM w4.75: P2.17@1281,687.5 1347.5,687.5 1375,660 1375,605 1417.5,562.5 1593.71,562.5 1668.38,487.83 1668.38,434 1664.38,430 R18.2@1650,430 1650,425 1663.4,411.6 U6.1@1708,411.6
YEL_C: P5.11 R130.2 | length 124.7
  TOP w4.75: P5.11@132,1026 170,1064 v1(170,1100)
  BOTTOM w4.75: v1(170,1100) R130.2@205,1100
YELA: P5.12 R135.1 U14.2 | length 1093.8
  TOP w4.75: v1(932.5,1090) 938.25,1095.75 U14.2@938.25,1126
  LYR3 w5.25: P5.12@192,926 192,957 280,1045 475,1045 575,945 700,945 830,1075 855,1075 890,1110 912.5,1110 v1(932.5,1090)
  BOTTOM w4.75: P5.12@192,926 192,975 205,988 R135.1@205,1050
ZQ: R99.2 U12.L8 | length 76.3
  BOTTOM w4.75: v1(2610.25,880.5) 2626,864.75 R99.2@2680,864.75
pads on no net: "P5. " D6.6 D6.7 D6.9 D6.10 D7.6 D7.7 D7.9 D7.10 J1.2 J1.3 J1.6 P1.3 P2.6 P5.7 P6.2 U2.14 U2.15 U2.16 U2.17 U2.33 U2.34 U2.35 U2.36 U2.37 U2.38 U2.44 U3.1 U5.E17 U5.E18 U5.F16 U5.M5 U5.M15 U5.P18 U9.3 U9.5 U10.5 U11.26 U11.28 U12.J1 U12.J9 U12.L1 U12.L9 U13.A1 U13.A2 U13.A6 U13.A7 U13.A8 U13.A9 U13.A10 U13.A11 U13.A12 U13.A13 U13.A14 U13.B1 U13.B7 U13.B8 U13.B9 U13.B10 U13.B11 U13.B12 U13.B13 U13.B14 U13.C1 U13.C3 U13.C5 U13.C7 U13.C8 U13.C9 U13.C10 U13.C11 U13.C12 U13.C13 U13.C14 U13.D1 U13.D2 U13.D3 U13.D4 U13.D12 U13.D13 U13.D14 U13.E1 U13.E2 U13.E3 U13.E5 U13.E8 U13.E9 U13.E10 U13.E12 U13.E13 U13.E14 U13.F1 U13.F2 U13.F3 U13.F10 U13.F12 U13.F13 U13.F14 U13.G1 U13.G2 U13.G3 U13.G10 U13.G12 U13.G13 U13.G14 U13.H1 U13.H2 U13.H3 U13.H5 U13.H12 U13.H13 U13.H14 U13.J1 U13.J2 U13.J3 U13.J5 U13.J12 U13.J13 U13.J14 U13.K1 U13.K2 U13.K3 U13.K6 U13.K7 U13.K10 U13.K12 U13.K13 U13.K14 U13.L1 U13.L2 U13.L3 U13.L12 U13.L13 U13.L14 U13.M1 U13.M2 U13.M3 U13.M7 U13.M8 U13.M9 U13.M10 U13.M11 U13.M12 U13.M13 U13.M14 U13.N1 U13.N3 U13.N6 U13.N7 U13.N8 U13.N9 U13.N10 U13.N11 U13.N12 U13.N13 U13.N14 U13.P1 U13.P2 U13.P7 U13.P8 U13.P9 U13.P10 U13.P11 U13.P12 U13.P13 U13.P14 Y1.2 Y1.3